# KiCad board for_real_486_rc13.kicad_pcb (continued)
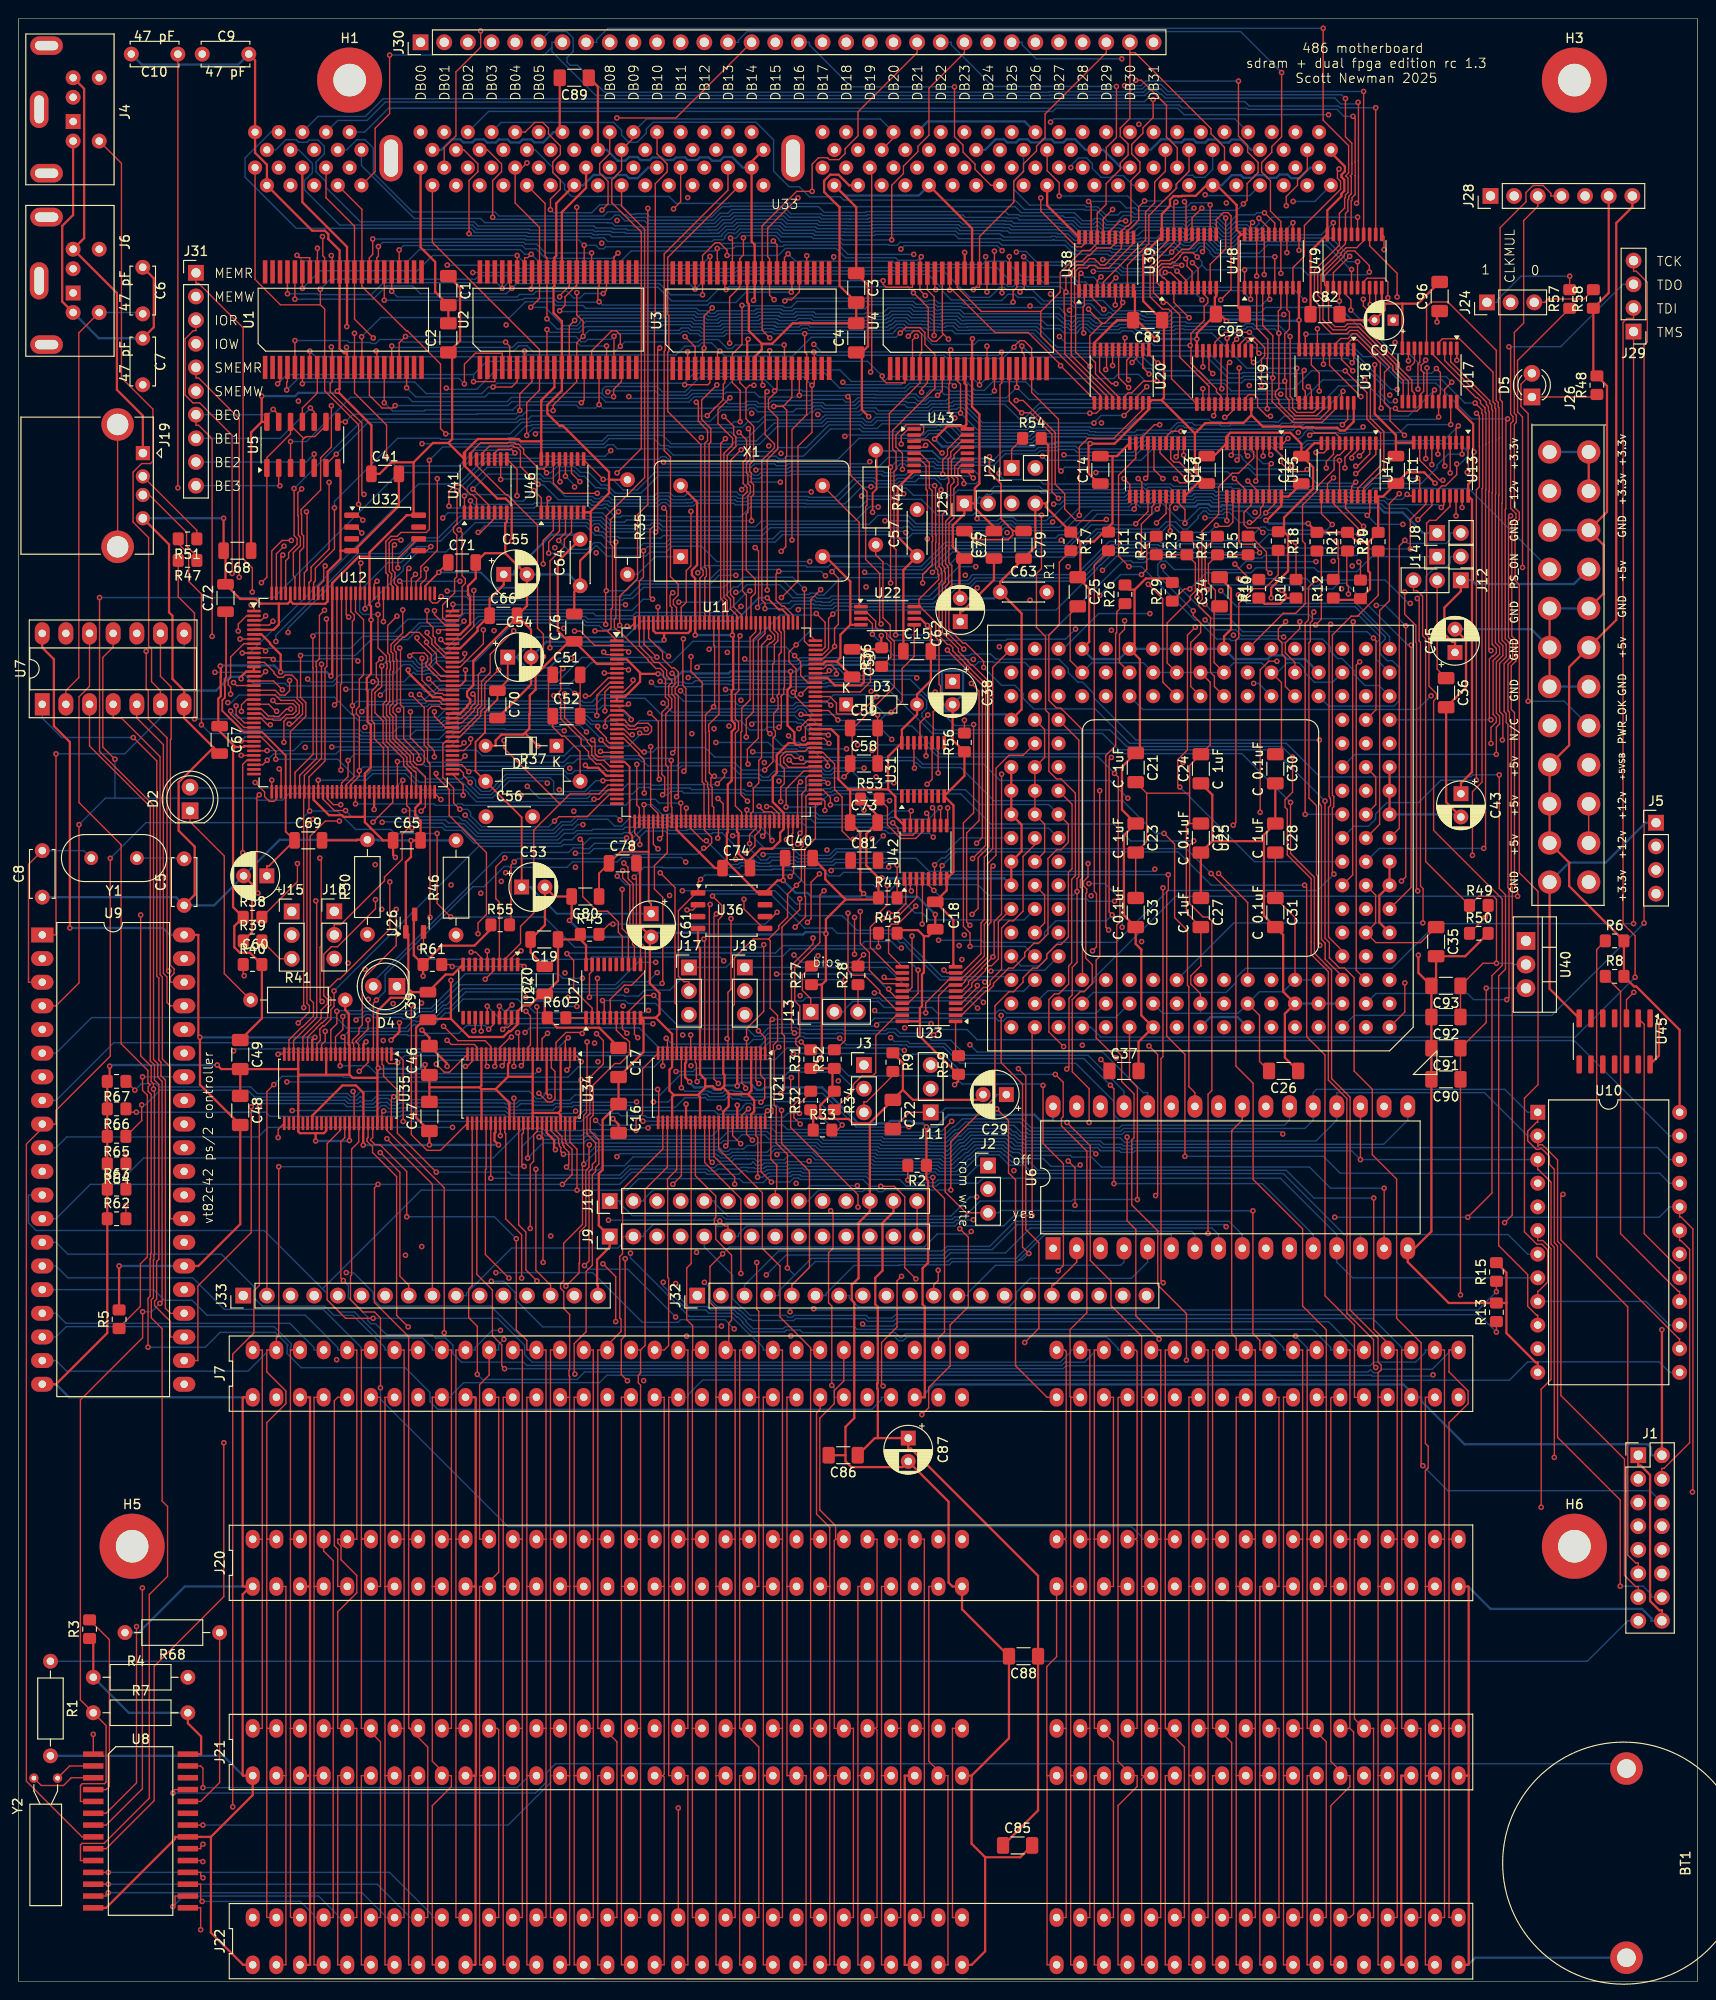
[diagram p0: board, top side]
## Routing (per net, layer and track width the routed paths; a pad name or vN(x,y) marks a point on that pad's centre or on a via; arc(x,y) is an arc through that point) (continued)
Net-(U21-1DIR): length 80.1
  Top w0.15: v1(79.47,102.1) 80.2,101.37 U21.1 ; v1(11.52,83.36) R62.2
  In1.Cu w0.15: v1(79.47,102.1) 78.75,101.37 78.75,101.01 78.42,100.67 67.52,100.67 66.55,99.71 56.08,99.71 54.58,98.21 54.58,98.12 54.24,97.78 54.15,97.78 39.73,83.36 v1(11.52,83.36)
Net-(U21-1~{OE}): length 71.4
  Top w0.15: v1(80.45,93.51) 80.2,93.26 U21.48 ; v1(12.65,93.36) 11.88,93.36 R66.1
  Bottom w0.15: v1(12.65,93.36) 26.55,93.36 27,92.91 40.99,92.91 41.15,93.07 52.2,93.07 52.38,92.88 60.06,92.88 60.77,93.59 64.57,93.59 64.57,93.58 65.69,93.58 65.76,93.51 74.75,93.51 75.12,93.15 80.09,93.15 v1(80.45,93.51)
Net-(U21-2DIR): length 67.8
  Top w0.15: U21.24 67.02,98.02 67.02,93.2 66.34,92.51 v1(66.34,91.39) ; v1(11.52,86.53) R63.2
  Bottom w0.15: v1(11.52,86.53) 13.44,88.44 50.97,88.44 54.15,91.62 56.28,91.62 56.51,91.39 60.55,91.39 60.64,91.48 66.25,91.48 v1(66.34,91.39)
Net-(U21-2~{OE}): length 63.1
  Top w0.15: v1(68.64,95.81) 68.76,95.69 68.76,92.33 U21.25 ; R67.1 11.54,96.66 v1(12.48,95.73)
  Bottom w0.15: v1(68.64,95.81) 56.95,95.81 56.47,95.33 56.47,95.15 56.13,94.81 55.65,94.81 54.87,95.6 36.76,95.6 36.17,95.01 35.69,95.01 35.34,95.36 25.64,95.36 24.92,96.08 15.07,96.08 14.73,96.42 13.18,96.42 v1(12.48,95.73)
Net-(U22-1G): length 8.2
  Top w0.15: R36.1 93.7,142.23 93.7,143.81 93.25,144.26 93.25,144.79 92.92,145.13 92.38,145.13 92.07,145.44 92.07,146.09 91.15,147.01 U22.2
Net-(U22-CLKIN): length 14.7
  Top w0.15: X1.8 90.3,156.72 90.3,147.85 U22.1
Net-(U23-A->B): length 3.8
  Top w0.15: U23.1 100.65,99.74 R59.2
Net-(U23-CE): length 14.2
  Top w0.15: U23.19 94.28,103.77 92.08,101.57 92.08,97.59 91.76,97.28 90.6,97.28 89.67,96.35 89.67,95.66 R34.2
Net-(U24-A->B): length 9.8
  Top w0.15: v1(54.31,109) 54.08,109.23 U24.1 ; R61.2 46.36,109.22 v1(46.58,109)
  Bottom w0.15: v1(46.58,109) v1(54.31,109)
Net-(U24-CE): length 50.4
  Top w0.15: U24.19 52.95,102.85 52.55,102.46 52.2,102.46 v1(51.99,102.25) ; R33.2 87.93,91.44 v1(88.47,91.98)
  In2.Cu w0.15: v1(68.14,102.85) 68.14,100.69 68.01,100.57 68.01,94.64 v1(68.19,94.47)
  Bottom w0.15: v1(51.99,102.25) 52.59,102.85 v1(68.14,102.85) ; v1(68.19,94.47) 69.78,94.47 70.58,95.26 73.46,95.26 73.49,95.29 73.9,95.29 74.02,95.17 74.02,95.17 74.16,95.03 75.53,95.03 75.56,95.06 75.74,95.06 76.04,95.36 76.62,95.36 76.74,95.25 76.81,95.25 76.91,95.15 77.57,95.15 77.71,95 80.99,95 81.5,94.49 85.96,94.49 v1(88.47,91.98)
Net-(U25-DP0): length 26.9
  Top w0.15: R25.2 132.36,155.23 134.04,153.54 134.04,151.64 v1(134.43,151.26)
  In2.Cu w0.15: U25.N3 138.38,136.78 138.38,140.82 137.34,141.86 136.87,141.86 135.69,143.03 135.69,143.79 135.32,144.16 135.32,148.64 134.43,149.54 v1(134.43,151.26)
Net-(U25-DP1): length 61
  Top w0.15: v1(127.69,149.48) 127.46,149.7 127.46,153.9 R24.2 ; v1(149.59,143.52) 149.59,117.5 U25.F1
  Bottom w0.15: v1(149.59,143.52) 149.24,143.52 142.6,150.17 141.79,150.17 141.19,149.56 138.04,149.56 137.62,149.99 128.2,149.99 v1(127.69,149.48)
Net-(U25-DP2): length 49.5
  Top w0.15: v1(126.41,145.45) 125.56,144.6 125.56,132.27 124.53,131.24 124.53,128.49 v1(124.74,128.28) ; v1(126.58,148.68) 126.44,148.81 126.44,148.86 126.76,149.18 126.76,153.97 R23.2
  In2.Cu w0.15: v1(126.41,145.45) 126.76,145.81 126.76,148.49 v1(126.58,148.68)
  Bottom w0.15: v1(124.74,128.28) 132.75,120.27 U25.H3
Net-(U25-DP3): length 76.3
  Top w0.15: R22.2 121.19,154.21 121.19,151.67 v1(120.63,151.11)
  In1.Cu w0.15: v1(120.63,111.69) 126.89,111.69 130.76,107.81 130.76,107.34 131.8,106.3 137.43,106.3 138.15,105.57 138.15,103.52 U25.A5
  In2.Cu w0.15: v1(120.63,111.69) 120.63,112.2 115.66,117.18 114.89,117.18 112.85,119.23 112.85,145.59 v1(116.13,148.87)
  Bottom w0.15: v1(116.13,148.87) 118.37,151.11 v1(120.63,151.11)
Net-(U25-FERR): length 49.1
  Top w0.15: R17.2 111.8,152.44 111.8,145.71 110.67,144.59 110.67,137.59 111.48,136.78 111.94,136.78 114.3,134.42 114.3,118.56 114.05,118.3 114.05,117.53 114.3,117.27 114.3,117.01 114.28,116.99 114.28,107.59 U25.C14
Net-(U25-IGNNE): length 53.6
  Top w0.15: v1(115.36,110.68) 115.79,111.11 115.79,116.84 115.55,117.08 115.55,152.14 R11.2
  In2.Cu w0.15: U25.A15 112.75,103.52 112.75,108.07 v1(115.36,110.68)
Net-(U25-NMI): length 46.4
  Top w0.15: R26.1 117.97,147.1 117.97,144.89 117.85,144.77 117.85,132.73 116.79,131.67 116.79,113.23 v1(117.09,112.93)
  In1.Cu w0.15: v1(117.09,112.93) 116.76,112.93 112.98,109.16 112.98,106.3 U25.B15
Net-(U27-A->B): length 2.2
  Top w0.15: U27.1 R60.2
Net-(U27-CE): length 40.1
  Top w0.15: R52.2 87.78,100.06 88.78,101.06 v1(88.78,107.59) ; U27.19 61.61,108.49 61.32,108.2 v1(61.32,105.7)
  Bottom w0.15: v1(88.78,107.59) 71.07,107.59 69.96,106.48 67.25,106.48 66.6,105.83 65.09,105.83 64.99,105.93 61.54,105.93 v1(61.32,105.7)
Net-(U31-SER): length 10.7
  Top w0.15: v1(99.8,126.04) 99.8,124.26 99.69,124.15 ; v1(96.24,130.31) 96.18,130.37 U31.14
  In1.Cu w0.15: v1(99.8,126.04) 99.8,127.21 96.7,130.31 v1(96.24,130.31)
Net-(U31-~{OE}): length 8.9
  Top w0.15: U31.13 96.83,135.19 v1(97.67,136.03) ; R56.2 101.6,135.46 v1(101.6,135.47)
  In1.Cu w0.15: v1(97.67,136.03) 101.03,136.03 v1(101.6,135.47)
Net-(U35-1DIR): length 54.3
  Top w0.15: R32.2 85.09,95.47 83.88,94.26 v1(83.88,93.23) ; U35.1 40.68,99.6 41.31,98.98 v1(41.31,92.36)
  Bottom w0.15: v1(83.88,93.23) 82.6,93.23 82.16,92.8 67.49,92.8 67.32,92.97 64.69,92.97 64.42,93.24 61.32,93.24 60.44,92.36 v1(41.31,92.36)
Net-(U35-1~{OE}): length 35.8
  Top w0.15: U35.48 40.04,94.76 v1(40.3,95.02) ; R65.1 13.22,92.46 v1(13.22,94.14)
  Bottom w0.15: v1(40.3,95.02) 40.13,95.19 38.54,95.19 37.95,94.59 37.18,94.59 36.78,94.99 36.65,94.99 36.32,94.66 35.55,94.66 35.22,94.99 25.34,94.99 24.6,95.73 15.19,95.73 13.6,94.14 v1(13.22,94.14)
Net-(U35-2DIR): length 58.8
  Top w0.15: U35.24 27.89,99.6 v1(27.87,99.58) ; v1(84.07,100.91) 84.92,100.06 R31.2
  Bottom w0.15: v1(27.87,99.58) 28.09,99.8 79.54,99.8 80.67,100.93 84.05,100.93 v1(84.07,100.91)
Net-(U35-2~{OE}): length 20
  Top w0.15: R64.1 v1(11.52,89.02) ; U35.25 27.88,91.52 v1(27.88,90.63)
  In1.Cu w0.15: v1(11.52,89.02) 13.14,90.63 v1(27.88,90.63)
Net-(U40-ADJ): length 9.3
  Top w0.15: R49.2 157.86,114.6 v1(157.55,114.28) 157.55,114.25 R50.1
  In1.Cu w0.15: U40.1 160.07,111.76 v1(157.55,114.28)
Net-(U41-DS): length 57.4
  Top w0.15: U41.10 v1(51.79,161.32) ; U43.9 101.92,162.12 v1(102.56,161.48)
  Bottom w0.15: v1(51.79,161.32) 51.85,161.38 56.06,161.38 56.33,161.11 57.1,161.11 58.71,159.49 61.65,159.49 61.86,159.29 61.9,159.29 61.93,159.26 62.4,159.26 62.64,159.49 63.38,159.49 63.73,159.14 68.38,159.14 68.77,159.53 69.83,159.53 70.22,159.15 71.67,159.15 71.69,159.17 72.19,159.17 72.52,159.5 77.1,159.5 77.29,159.3 78.06,159.3 78.26,159.5 84.82,159.5 84.9,159.41 87.76,159.41 89.86,161.51 91.92,161.51 92.23,161.2 94.18,161.2 94.43,161.45 95.93,161.45 96.27,161.79 98.59,161.79 98.7,161.67 99.04,161.34 99.51,161.34 99.85,161.67 102.37,161.67 v1(102.56,161.48)
Net-(U42-~{OE}): length 8.5
  Top w0.15: R53.2 93.33,126.11 93.33,124.21 94.11,123.42 94.11,123.39 94.75,122.76 96.37,122.76 97.09,123.49 U42.13
Net-(U43-DS): length 51.4
  Top w0.15: v1(101.55,160.87) 101.55,161.28 100.91,161.92 100.91,162.46 101.28,162.84 U43.10 ; v1(62.8,161.33) 60.69,163.43 60.69,163.52
  Bottom w0.15: v1(62.8,161.33) 63.82,161.33 64.95,160.2 66.46,160.2 68.36,162.1 78.62,162.1 78.96,161.76 79.44,161.76 79.77,162.1 82.75,162.1 82.87,162.22 92.84,162.22 93.01,162.05 93.92,162.05 94.37,162.49 94.37,162.65 94.7,162.99 95.18,162.99 95.44,162.73 98.27,162.73 98.51,162.49 102.44,162.49 103.19,161.74 103.19,161.23 102.84,160.87 v1(101.55,160.87)
Net-(X1-Tri-State): length 6.5
  Bottom w0.15: X1.1 68.39,153.03 66.48,151.13 R35.2
unconnected-(J19-Shield-Pad5): length 13.1
  Top w0.15: J19.5 J19.5
unconnected-(J20--5V-Pad5): length 67.4
  Top w0.15: J22.5 34.28,1.78 34.28,22.1 J21.5 ; J20.5 34.28,42.42 34.28,46.43 33.91,46.79 33.91,62.37 34.28,62.74 J7.5
  In2.Cu w0.15: J20.5 34.28,42.42 34.28,22.1 J21.5
unconnected-(J20--12V-Pad7): length 65.1
  Top w0.15: J21.7 39.36,22.1 ; 39.36,22.1 39.36,42.42 ; 39.36,22.1 39.36,1.78 J22.7 ; 39.36,42.42 39.36,42.42 39.36,62.74 J7.7 ; 39.36,42.42 J20.7

## Text on the board
F.Silkscreen: rom write | MEMR | MEMW | IOR | IOW | SMEMR | SMEMW | BE0 | BE1 | BE2 | BE3 | bios | off | yes | 1 | 0 | TCK | TDO | TDI | TMS | 486 motherboard / sdram + dual fpga edition rc 1.3 / Scott Newman 2025 | vt82c42 ps/2 controller | DB00 | DB01 | DB02 | DB03 | DB04 | DB05 | DB08 | DB09 | DB10 | DB11 | DB12 | DB13 | DB14 | DB15 | DB16 | DB17 | DB18 | DB19 | DB20 | DB21 | DB22 | DB23 | DB24 | DB25 | DB26 | R1 | DB27 | DB28 | DB29 | DB30 | DB31 | CLKMUL
